# Altium PCB PCB.PcbDoc
Units mm, origin at the board's own origin, x right, y up, seen from the top; angles counter-clockwise.
Board outline 115.82 x 70.1 mm, 2 copper layers (Layer 1, Layer 4), stack 1.465 mm thick; 35 components, 3 nets, 69 pads, 68 vias.
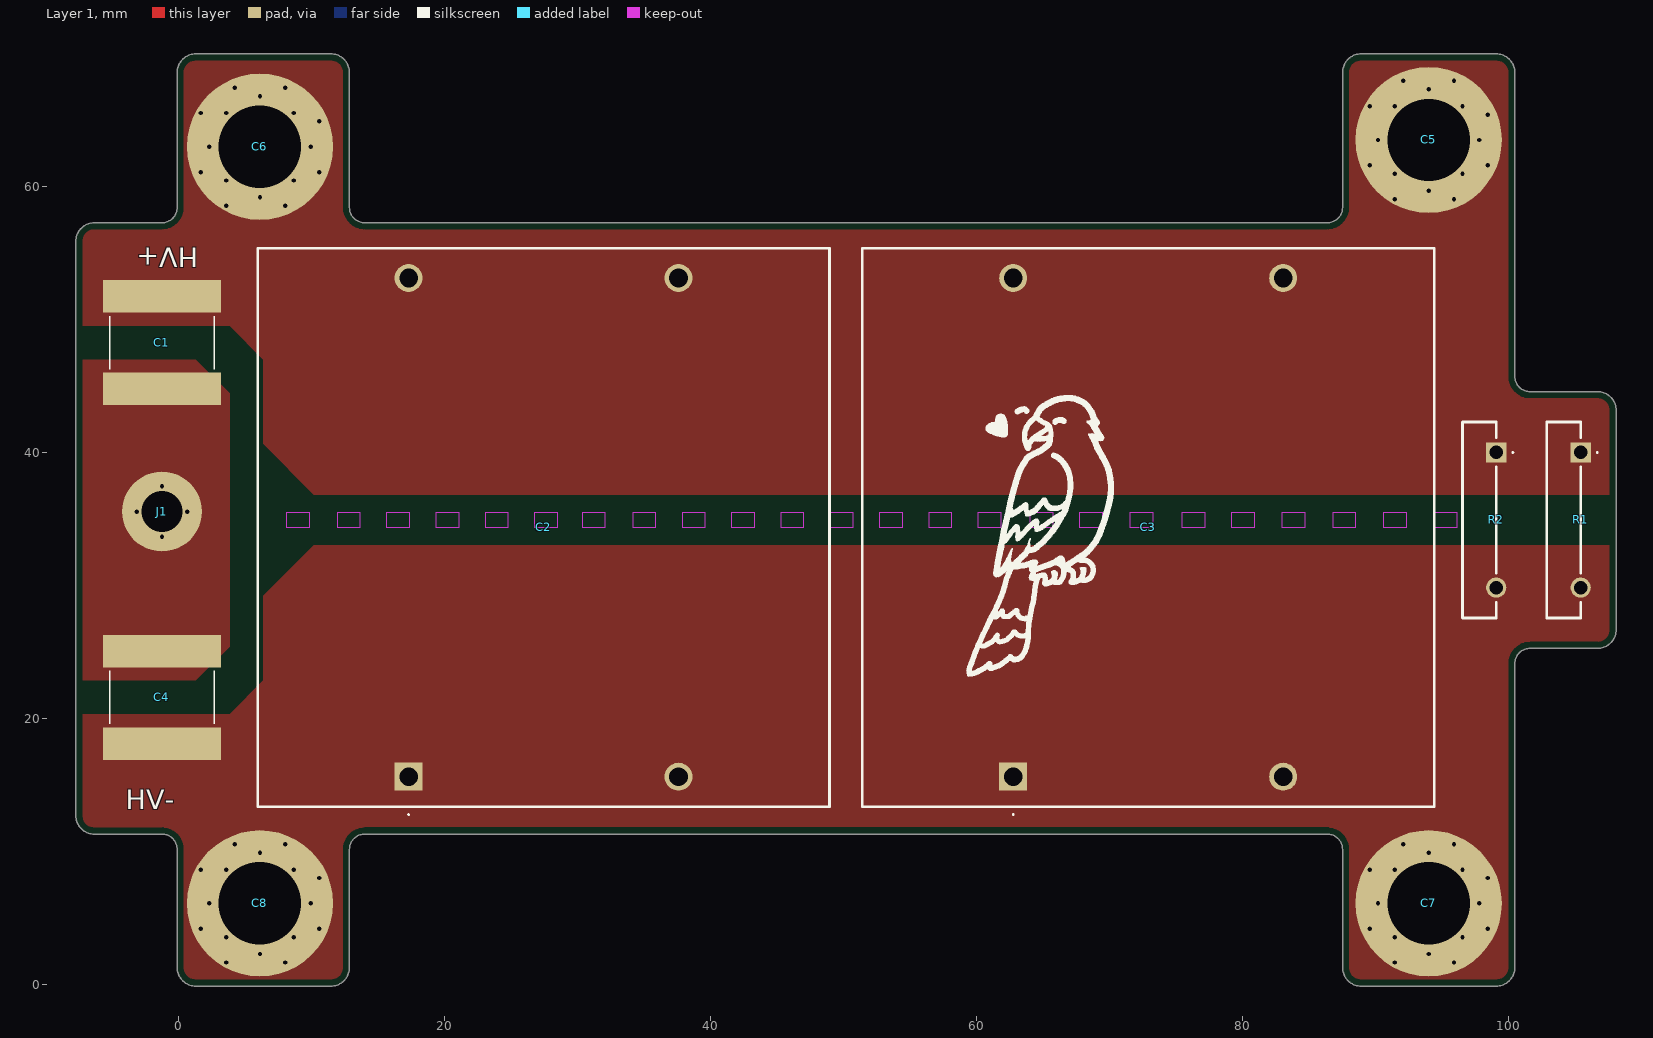
[diagram p0: Layer 1 view]
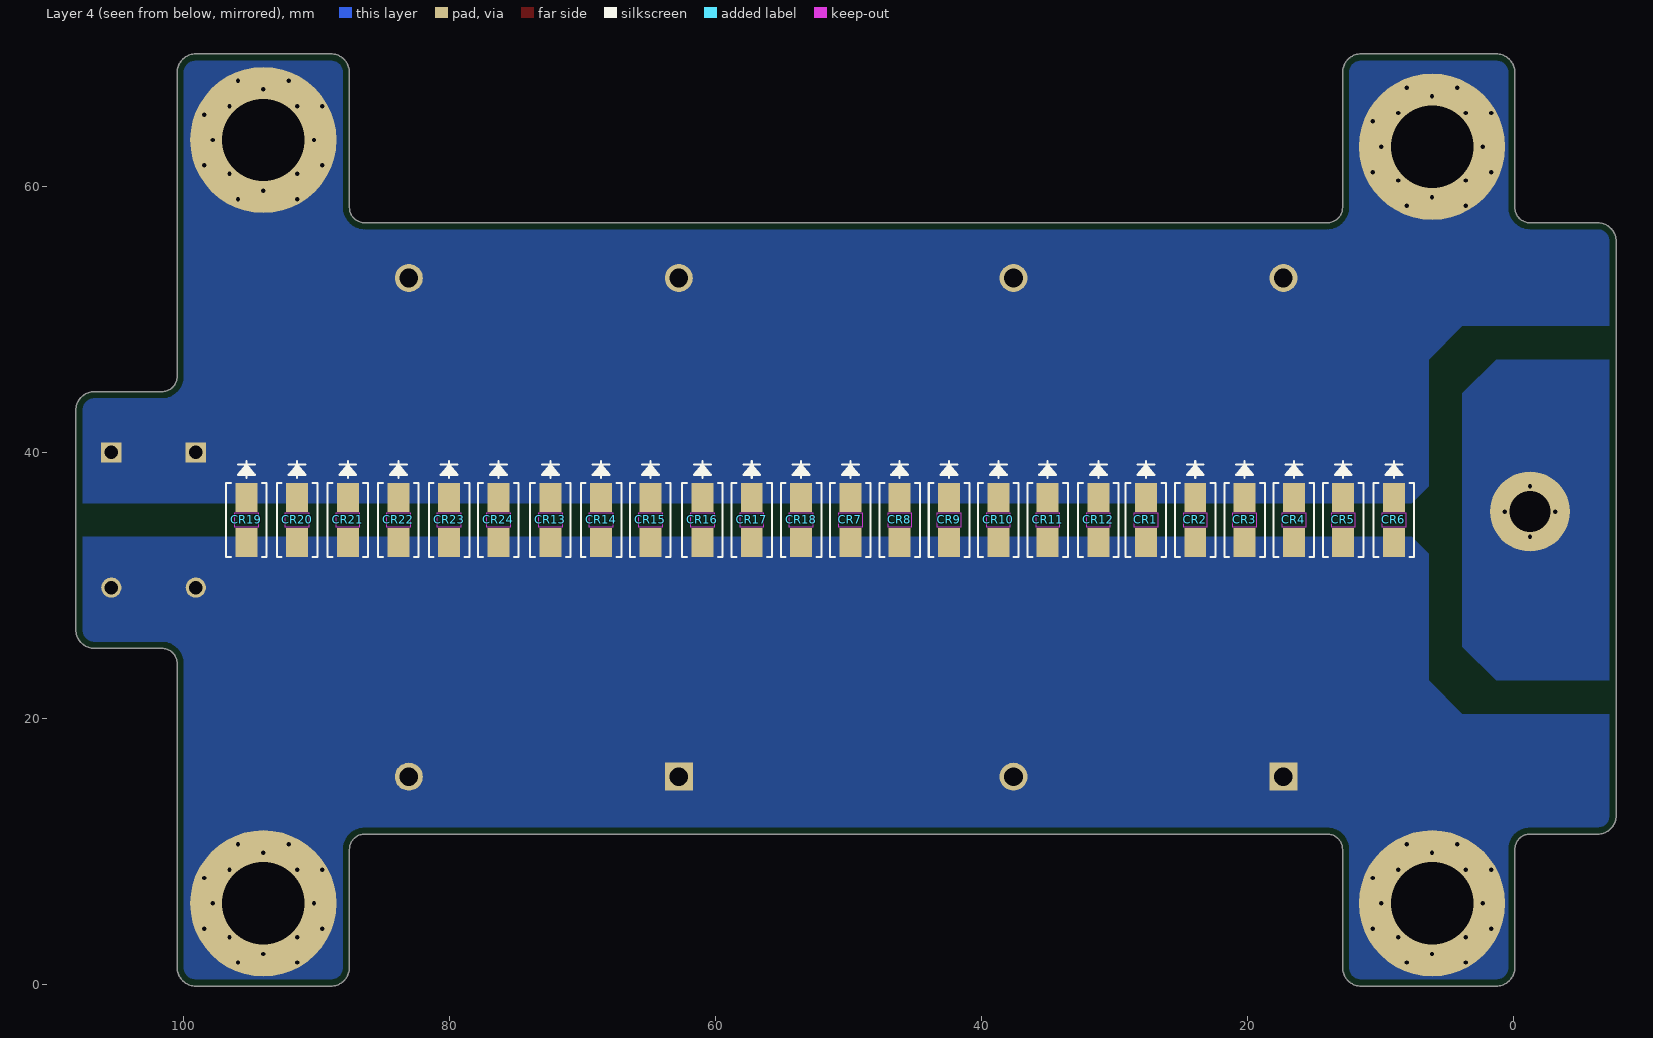
[diagram p1: Layer 4 view, seen from below]

## Layer stack, top to bottom
Top Solder: solder mask 0.0254, SM-001, Dk 4
Layer 1: signal copper 0.035
Dielectric 1: core 1.3952, Core-043, Dk 4.6
Layer 4: signal copper 0.035
Bottom Solder: solder mask 0.0254, SM-001, Dk 4

## Board outline
-6.35,11.303 -1.27,11.303 cw(c-1.27,10.16) -0.127,10.16 -0.127,1.27 ccw(c1.27,1.27) 1.27,-0.127 11.43,-0.127 ccw(c11.43,1.27) 12.827,1.27 12.827,10.16 cw(c13.97,10.16) 13.97,11.303 86.36,11.303 cw(c86.36,10.16) 87.503,10.16 87.503,1.27 ccw(c88.9,1.27) 88.9,-0.127 99.06,-0.127 ccw(c99.06,1.27) 100.457,1.27 100.457,24.13 cw(c101.6,24.13) 101.6,25.273 106.68,25.273 ccw(c106.68,26.67) 108.077,26.67 108.077,43.18 ccw(c106.68,43.18) 106.68,44.577 101.6,44.577 cw(c101.6,45.72) 100.457,45.72 100.457,68.58 ccw(c99.06,68.58) 99.06,69.977 88.9,69.977 ccw(c88.9,68.58) 87.503,68.58 87.503,58.42 cw(c86.36,58.42) 86.36,57.277 13.97,57.277 cw(c13.97,58.42) 12.827,58.42 12.827,68.58 ccw(c11.43,68.58) 11.43,69.977 1.27,69.977 ccw(c1.27,68.58) -0.127,68.58 -0.127,58.42 cw(c-1.27,58.42) -1.27,57.277 -6.35,57.277 ccw(c-6.35,55.88) -7.747,55.88 -7.747,12.7 ccw(c-6.35,12.7)

## Design rules (kind name [scope] priority, off if disabled: settings)
AcuteAngle [All] p1: minimum=6.00000000000000E+0001 checktracksonly=FALSE
AssemblyTestpoint [All] p1: testpointundercomponent=TRUE minsize=1.016 maxsize=2.54 preferedsize=1.524 minholesize=0 maxholesize=1.016 preferedholesize=0.813 testpointgrid=0.025 usegrid=TRUE gridtolerance=0 allowsidetop=TRUE
BackDrilling [All] p1: maxstublength=0.381 usetopbackdrill=TRUE usebottombackdrill=TRUE holeoversize=0.025 holetolplus=0 holetolminus=0
BoardOutlineClearance [All] p1: gap=0.5 ignorepadtopadclearanceinfootprint=FALSE
Clearance Manufacturable [All] p1: gap=0.01 ignorepadtopadclearanceinfootprint=FALSE except(0: Arc-Hole Track-Hole SMDPad-Hole THPad-Hole Via-Hole Fill-Hole Poly-Hole Region-Hole Text-Hole; 0.254: Arc-Text Track-Text SMDPad-Text THPad-Fill THPad-Poly THPad-Region THPad-Text Via-Text Fill-Text Poly-Text Region-Text Text-Text)
ComponentClearance [All] p1 off: gap=0.025 collisioncheckmode=3 verticalgap=1.016 showdistances=FALSE donotcheckwithout3dbody=TRUE checkcomponentboundary=TRUE
ComponentOrientations [All] p1: allowedrotations=32
FabricationTestpoint [All] p1: side=1 testpointundercomponent=FALSE minsize=1.016 maxsize=2.54 preferedsize=1.524 minholesize=0 maxholesize=1.016 preferedholesize=0.813 testpointgrid=0.025 allowsidetop=TRUE usegrid=TRUE gridtolerance=0
Height [All] p1: minheight=0 maxheight=254 prefheight=12.7
HoleSize [All] p1: absolutevalues=TRUE maxlimit=6.096 minlimit=0.305 maxpercent=80.000 minpercent=20.000
HoleToHoleClearance [All] p1: gap=0.305 allowstackedmicrovias=FALSE
Length [All] p1: maxlimit=254 minlimit=0
MatchedLengths MatchedLengthsPair [All] p1: tolerance=25.4 checknetsindiffpair=TRUE checkdiffpairvsdiffpair=FALSE checkxsignals=FALSE checkothers=FALSE usedelayunits=TRUE delaytolerance=30.000000
MatchedLengths MatchedLengthsGroup [All] p2: tolerance=25.4 checknetsindiffpair=FALSE checkdiffpairvsdiffpair=TRUE checkxsignals=TRUE checkothers=TRUE usedelayunits=TRUE delaytolerance=50.000000
MaximumViaCount [All] p1: limit=15000
MinimumAnnularRing [All] p1: minimumring=0.14
MinimumSolderMaskSliver [All] p1: minsoldermaskwidth=0
OvershootFalling [All] p1: maximum=300.0m
OvershootRising [All] p1: maximum=300.0m
ParallelSegment [All] p1: limit=25.4 gap=0.254
PasteMaskExpansion [All] p1: expansion=0.025
PermittedLayers [All] p1: toplayerpermitted=TRUE bottomlayerpermitted=TRUE
PlaneClearance [All] p1: clearance=0.635
PlaneConnect [All] p1: planeconnectstyle=Relief reliefexpansion=0.508 reliefentries=4 reliefconductorwidth=0.381 reliefairgap=0.254
PolygonConnect [All] p1: connectstyle=Direct reliefconductorwidth=0.381 reliefentries=4 polygonreliefangle="90 Angle" airgapwidth=0.254
ReturnPath [All] p1: _gaplimit=0
RoutingCorners [All] p1: cornerstyle=45-Degree minsetback=2.54 maxsetback=12.7
RoutingVias [All] p1: holewidth=0.381 width=0.762 viastyle="Through Hole" minholewidth=0.05 minwidth=0.1 maxholewidth=6.096 maxwidth=11.43
SMDEntry [All] p1: side=FALSE corner=FALSE anyangle=FALSE
SMDNeckDown [All] p1: percent=50.000
SMDToCorner [All] p1: distance=100000
SMDToPlane [All] p1: distance=1000000
SignalStimulus [All] p1: kind=1 level=0 starttime=10.00n stoptime=60.00n periodtime=100.0n
SilkToSilkClearance [All] p1 off: silktosilkclearance=0
SilkToSolderMaskClearance [IsPad] p1: minsilkscreentomaskgap=0.152 clearancetoexposedcopper=FALSE
SolderMaskExpansion viaRule [IsVia] p1: expansion=0.102 istentingtop=TRUE
SolderMaskExpansion [All] p2: expansion=0 istentingtop=FALSE
StubLength [All] p1: limit=12.7
SupplyNets "Schematic Supply Nets_2" [InNet('HV+')] p1: voltage=0.000
SupplyNets "Schematic Supply Nets_1" [InNet('GND')] p2: voltage=0.000
SupplyNets "Schematic Supply Nets" [InNet('HV-')] p3: voltage=0.000
UnConnectedPin [All] p1:
UnRoutedNet [All] p1: checkbadconnections=TRUE
UndershootFalling [All] p1: maximum=300.0m
UndershootRising [All] p1: maximum=300.0m
ViasUnderSMD [All] p1: allowed=FALSE
Width [All] p1: maxlimit=2.032 minlimit=0.127 preferedwidth=0.254 minimp=50.000000 maximp=50.000000 favimp=50.000000
16 further rules are at their usual default settings.

## Classes and differential pairs
net class Schematic_Nets: GND HV+ HV-

## Components (designator, comment, footprint, x,y, rotation, side; value= is the part's Value field where it differs from the comment)
C1 "B58031U9254M062" B58031U9254M062 -1.27,48.26 r270 top
C2 "C4AQJLW5300M38J" C4AQJLW5300M38J 17.272,15.621 r90 top
C3 "C4AQJLW5300M38J" C4AQJLW5300M38J 62.738,15.621 r90 top
C4 "B58031U9254M062" B58031U9254M062 -1.27,21.59 r90 top
C5 "HCC" "6mm Pad" 93.98,63.5 r90 top
C6 "HCC" "6mm Pad" 6.096,62.992 r90 top
C7 "HCC" "6mm Pad" 93.98,6.096 r90 top
C8 "HCC" "6mm Pad" 6.096,6.096 r90 top
CR1 "BYG21K-E3/TR" DO-214AC_VIS 27.61,34.925 r270 bottom
CR2 "BYG21K-E3/TR" DO-214AC_VIS 23.901,34.925 r270 bottom
CR3 "BYG21K-E3/TR" DO-214AC_VIS 20.193,34.925 r270 bottom
CR4 "BYG21K-E3/TR" DO-214AC_VIS 16.485,34.925 r270 bottom
CR5 "BYG21K-E3/TR" DO-214AC_VIS 12.776,34.925 r270 bottom
CR6 "BYG21K-E3/TR" DO-214AC_VIS 8.966,34.925 r270 bottom
CR7 "BYG21K-E3/TR" DO-214AC_VIS 49.835,34.925 r270 bottom
CR8 "BYG21K-E3/TR" DO-214AC_VIS 46.126,34.925 r270 bottom
CR9 "BYG21K-E3/TR" DO-214AC_VIS 42.418,34.925 r270 bottom
CR10 "BYG21K-E3/TR" DO-214AC_VIS 38.71,34.925 r270 bottom
CR11 "BYG21K-E3/TR" DO-214AC_VIS 35.001,34.925 r270 bottom
CR12 "BYG21K-E3/TR" DO-214AC_VIS 31.191,34.925 r270 bottom
CR13 "BYG21K-E3/TR" DO-214AC_VIS 72.39,34.925 r270 bottom
CR14 "BYG21K-E3/TR" DO-214AC_VIS 68.58,34.925 r270 bottom
CR15 "BYG21K-E3/TR" DO-214AC_VIS 64.872,34.925 r270 bottom
CR16 "BYG21K-E3/TR" DO-214AC_VIS 60.96,34.925 r270 bottom
CR17 "BYG21K-E3/TR" DO-214AC_VIS 57.252,34.925 r270 bottom
CR18 "BYG21K-E3/TR" DO-214AC_VIS 53.543,34.925 r270 bottom
CR19 "BYG21K-E3/TR" DO-214AC_VIS 95.25,34.925 r270 bottom
CR20 "BYG21K-E3/TR" DO-214AC_VIS 91.44,34.925 r270 bottom
CR21 "BYG21K-E3/TR" DO-214AC_VIS 87.63,34.925 r270 bottom
CR22 "BYG21K-E3/TR" DO-214AC_VIS 83.82,34.925 r270 bottom
CR23 "BYG21K-E3/TR" DO-214AC_VIS 80.01,34.925 r270 bottom
CR24 "BYG21K-E3/TR" DO-214AC_VIS 76.302,34.925 r270 bottom
J1 "LCC" "PAD 3MM" -1.27,35.56 r90 top
R1 "SM102031004JE" SM102031004JE#1 105.41,40.005 r270 top
R2 "SM102031004JE" SM102031004JE#2 99.06,40.005 r270 top

## Footprints (in the part's own frame and the unit in brackets; to place one, negate y for a bottom-side part, rotate by r counter-clockwise, add the part's x,y. Pads: shape width x height; smd on the part's side, far side on the other; paste and mask are expansions set on the pad)
"6mm Pad" [mm]
  round 11 hole 6.2 paste+0 mask+0.2: 1(0,0)
B58031U9254M062 [mm]
  rect 2.45x8.85 smd mask+0.1: 1(-3.475,0) 2(3.475,0)
  silkscreen extent -2,-3.93 2,3.93, body extent -3.57,-3.93 3.57,3.93, height 4
C4AQJLW5300M38J [mm]
  rect 2.1x2.1 hole 1.4: 1(0,0)
  round 2.1 hole 1.4: 2(0,-20.3) 3(37.5,-20.3) 4(37.5,0)
  silkscreen extent -2.9,-31.65 39.75,11.35, body extent -2.55,-31.86 40.05,11.55, height 26.36
DO-214AC_VIS [mil]
  rect 86x65 smd paste+0 mask+0: 1(-67,0) 2(67,0)
  Keep-Out Layer region: -22,-34.5 -22,34.5 22,34.5 22,-34.5
  silkscreen extent -174,-60 109,60, body extent -104,-55 104,55, height 92
"PAD 3MM" [mm]
  round 6 hole 3.1 paste+0 mask+0.2: 1(0,0)
SM102031004JE#1 [mm]
  rect 1.519x1.519 hole 1.013 mask+0.025: 1(0,0)
  round 1.519 hole 1.013 mask+0.025: 2(10.16,0)
  silkscreen extent -2.28,-2.54 12.44,1.3, body extent -2.29,-2.16 12.45,0.38, height 9.32
SM102031004JE#2 [mm]
  rect 1.519x1.519 hole 1.013: 1(0,0)
  round 1.519 hole 1.013: 2(10.16,0)
  silkscreen extent -2.28,-2.54 12.44,1.3, body extent -2.29,-2.16 12.45,0.38, height 9.32

## Part data
C1 C4: "Capacitor", Manufacturer_Name=TDK, Mouser Part Number=871-B58031U9254M062, Arrow Part Number=B58031U9254M062, Arrow Price/Stock=https://www.arrow.com/en/products/b58031u9254m062/tdk?region=europe, Datasheet Link=https://product.tdk.com/system/files/dam/doc/product/capacitor/ceramic/ceralink/data_sheet/20/10/ds/b58031_lp.pdf, Height=4.5mm, Manufacturer_Part_Number=B58031U9254M062, Mouser Price/Stock=https://www.mouser.co.uk/ProductDetail/EPCOS-TDK/B58031U9254M062?qs=Mv7BduZupUir5egwM6Ifng%3D%3D
C2 C3: "Capacitor", Manufacturer_Name=KEMET, Mouser Part Number=80-C4AQJLW5300M38J, Datasheet Link=https://content.kemet.com/datasheets/KEM_F3125_C4AQ_M.pdf, Height=25.2mm, Manufacturer_Part_Number=C4AQJLW5300M38J, Mouser Price/Stock=https://www.mouser.co.uk/ProductDetail/KEMET/C4AQJLW5300M38J?qs=81r%252BiQLm7BQPDIKgnvCGAA%3D%3D
CR1 CR2 CR3 CR4 CR5 CR6 CR7 CR8 CR9 CR10 CR11 CR12 CR13 CR14 CR15 CR16 CR17 CR18 CR19 CR20 CR21 CR22 CR23 CR24: library part BYG21K-E3TR, "1.5A,800V,120nS FS AVALANCHE SMD", Manufacturer_Name=Vishay, Copyright="Copyright (C) 2025 Ultra Librarian. All rights reserved.", datasheet=https://www.vishay.com/doc?88961, Manufacturer_Part_Number=BYG21K-E3/TR
R1 R2: "Resistor", Manufacturer_Name=Ohmite, Datasheet Link=https://www.ohmite.com/assets/docs/res_slimmox.pdf?r=false, Height=8.64mm, Manufacturer_Part_Number=SM102031004JE

## Via types
v1: diameter 0.635, hole 0.33, Layer 1 to Layer 4, tented both sides, 63 vias
v2: diameter 0.635, hole 0.33, Layer 1 to Layer 4, 5 vias

## Nets (pads, with @x,y where several pads share a name; then routed paths per layer and width w, separated by ;. In a path a pad name is that pad's centre, name@x,y a point inside that pad or via, vN(x,y) a via of type N, cw(c..) or ccw(c..) an arc to the next point about the centre after c; other vN are vias at no path point)
GND: C1.2 C4.2 J1.1
  other v1: -1.27,33.655 0.635,35.56 -1.27,37.465
  other v2: -3.175,35.56
HV+: C1.1 C2.3 C2.4 C3.3 C3.4 C5.1 C6.1 CR1.1 CR2.1 CR3.1 CR4.1 CR5.1 CR6.1 CR7.1 CR8.1 CR9.1 CR10.1 CR11.1 CR12.1 CR13.1 CR14.1 CR15.1 CR16.1 CR17.1 CR18.1 CR19.1 CR20.1 CR21.1 CR22.1 CR23.1 CR24.1 R1.1 R2.1
  other v1: 3.556,58.547 8.001,58.547 91.44,59.055 95.885,59.055 6.096,59.182 93.98,59.69 3.556,60.452 8.636,60.452 91.44,60.96 96.52,60.96 1.651,61.087 10.541,61.087 89.535,61.595 98.425,61.595 2.286,62.992 9.906,62.992 90.17,63.5 97.79,63.5 10.541,64.897 98.425,65.405 1.651,65.532 3.556,65.532 8.636,65.532 89.535,66.04 91.44,66.04 96.52,66.04 4.191,67.437 8.001,67.437 92.075,67.945 95.885,67.945
  other v2: 6.096,66.802 93.98,67.31
HV-: C2.1 C2.2 C3.1 C3.2 C4.1 C7.1 C8.1 CR1.2 CR2.2 CR3.2 CR4.2 CR5.2 CR6.2 CR7.2 CR8.2 CR9.2 CR10.2 CR11.2 CR12.2 CR13.2 CR14.2 CR15.2 CR16.2 CR17.2 CR18.2 CR19.2 CR20.2 CR21.2 CR22.2 CR23.2 CR24.2 R1.2 R2.2
  other v1: 3.556,1.651 8.001,1.651 91.44,1.651 95.885,1.651 6.096,2.286 93.98,2.286 3.556,3.556 8.636,3.556 91.44,3.556 96.52,3.556 1.651,4.191 10.541,4.191 89.535,4.191 98.425,4.191 2.286,6.096 9.906,6.096 90.17,6.096 97.79,6.096 10.541,8.001 98.425,8.001 1.651,8.636 3.556,8.636 8.636,8.636 89.535,8.636 91.44,8.636 96.52,8.636 4.191,10.541 8.001,10.541 92.075,10.541 95.885,10.541
  other v2: 6.096,9.906 93.98,9.906

## Polygon pours and split planes (outlines as drawn)
no net on Bottom Solder "NONET_L01_P-001" (solid): -1.27,69.85 102.87,69.85 102.87,49.53 -1.27,49.53
no net on Bottom Solder "NONET_L01_P-001" (solid, pour order 3): -2.54,20.32 101.6,20.32 101.6,0 -2.54,0
HV+ on Layer 1 "HV+_L01_P009" (solid, pour order 9): -7.62,70.406 -7.62,49.53 3.81,49.53 6.35,46.99 6.35,40.64 10.16,36.83 107.95,36.83 107.95,74.314
GND on Layer 1 "GND_L01_P010" (solid, pour order 10): 1.27,22.86 -7.62,22.86 -7.62,46.99 1.27,46.99 3.81,44.45 3.81,25.4
HV- on Layer 1 "HV-_L01_P008" (solid, pour order 8): -7.62,-0.81 -7.62,20.32 3.81,20.32 6.35,22.86 6.35,29.21 10.16,33.02 107.95,33.02 107.95,-4.718
HV+ on Layer 4 "HV+_L02_P005" (solid, pour order 5): -7.62,70.406 -7.62,49.53 3.81,49.53 6.35,46.99 6.35,37.465 7.62,36.195 107.95,36.195 107.95,74.314
HV- on Layer 4 "HV-_L02_P004" (solid, pour order 4): -7.62,-0.81 -7.62,20.32 3.81,20.32 6.35,22.86 6.35,32.385 7.62,33.655 107.95,33.655 107.95,-4.718
GND on Layer 4 "GND_L02_P006" (solid, pour order 6): 1.27,22.86 -7.62,22.86 -7.62,46.99 1.27,46.99 3.81,44.45 3.81,25.4

## Silkscreen, mask and mechanical layers (free items; w line width, h text height)
Top Overlay:
  drawing of 4 lines, arcs and shapes, not listed
  text "HV+" at 1.451,55.88 h2.54 r180
  text "HV-" at -3.991,12.7 h2.54
Bottom Overlay:
Board Outline:
  lines w0.254: 105.41,25.4 101.6,25.4 ; 101.6,25.4 ccw(c101.6,24.13) 100.33,24.13 100.33,21.59 100.33,1.27 cw(c99.06,1.27) 99.06,0 88.9,0 cw(c88.9,1.27) 87.63,1.27 87.63,10.16 ccw(c86.36,10.16) 86.36,11.43 13.97,11.43 ccw(c13.97,10.16) 12.7,10.16 12.7,1.27 cw(c11.43,1.27) 11.43,0 1.27,0 cw(c1.27,1.27) 0,1.27 0,10.16 ccw(c-1.27,10.16) -1.27,11.43 -6.35,11.43 cw(c-6.35,12.7) -7.62,12.7 -7.62,55.88 cw(c-6.35,55.88) -6.35,57.15 -1.27,57.15 ccw(c-1.27,58.42) 0,58.42 0,68.58 cw(c1.27,68.58) 1.27,69.85 11.43,69.85 cw(c11.43,68.58) 12.7,68.58 12.7,58.42 ccw(c13.97,58.42) 13.97,57.15 86.36,57.15 ccw(c86.36,58.42) 87.63,58.42 87.63,68.58 cw(c88.9,68.58) 88.9,69.85 99.06,69.85 cw(c99.06,68.58) 100.33,68.58 100.33,45.72 ccw(c101.6,45.72) 101.6,44.45 106.68,44.45 cw(c106.68,43.18) 107.95,43.18 107.95,26.67 cw(c106.68,26.67) 106.68,25.4 101.6,25.4